# Altium PCB PCB_FRONT.PcbDoc (part 1 of 3) (continued)
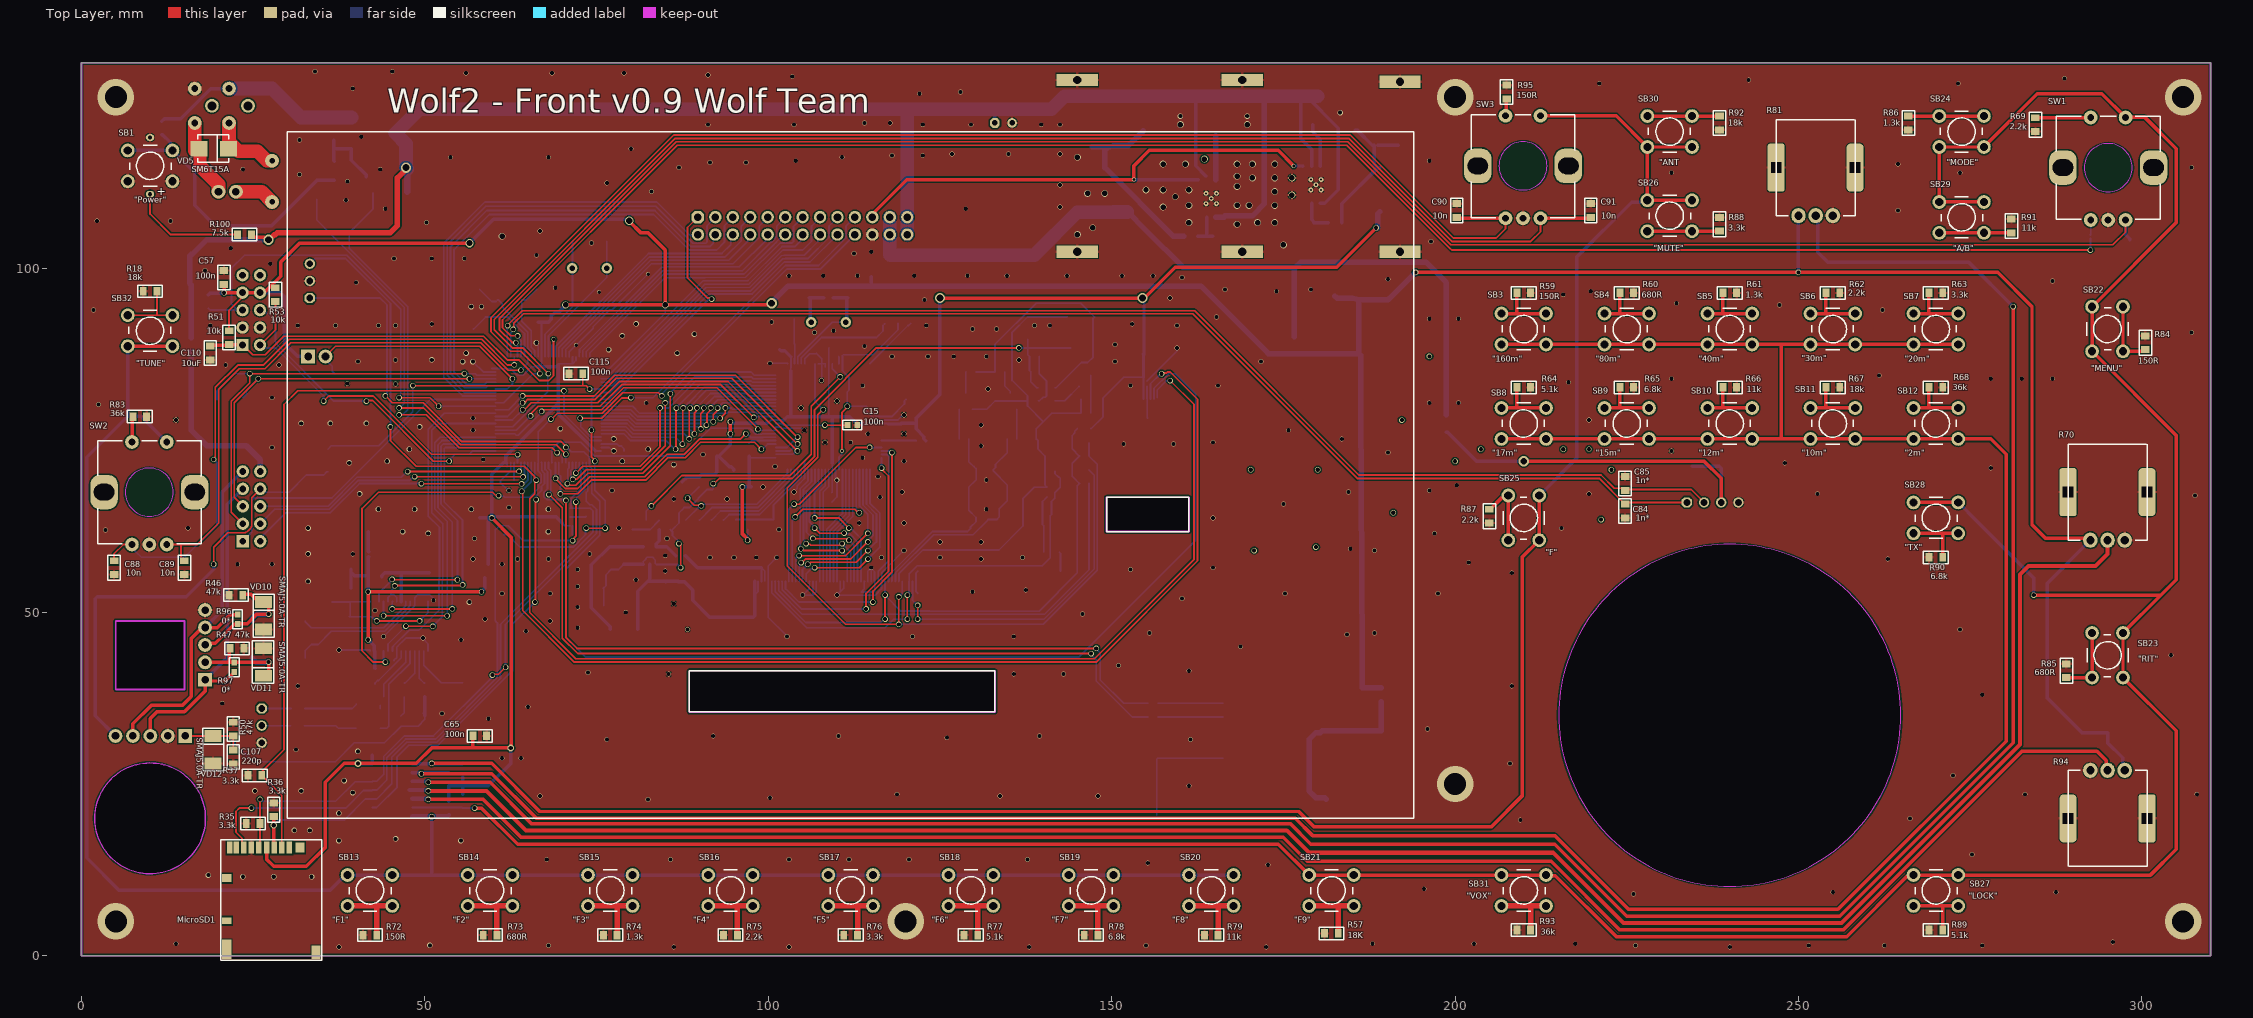
[diagram p0: Top Layer view]
## Components (designator, comment, footprint, x,y, rotation, side; value= is the part's Value field where it differs from the comment) (continued)
R64 "5.1k" CH0805R 210,82.75 r0 top
R65 "6.8k" CH0805R 225,82.75 r0 top
R66 "11k" CH0805R 240,82.75 r0 top
R67 "18k" CH0805R 255,82.75 r0 top
R68 "36k" CH0805R 270,82.75 r0 top
R69 "2.2k" CH0805R 284.5,121 r270 top
R70 "1k" PTV09 295,60.5 r0 top
R71 "4.7k" CH0805R 55.5,22.5 r90 bottom
R72 "150R" CH0805R 42,3 r180 top
R73 "680R" CH0805R 59.5,3 r180 top
R74 "1.3k" CH0805R 77,3 r180 top
R75 "2.2k" CH0805R 94.5,3 r180 top
R76 "3.3k" CH0805R 112,3 r180 top
R77 "5.1k" CH0805R 129.5,3 r180 top
R78 "6.8k" CH0805R 147,3 r180 top
R79 "11k" CH0805R 164.5,3 r180 top
R80 "4.7k" CH0805R 53.5,25.75 r270 bottom
R81 "1k" PTV09 252.5,107.75 r0 top
R82 "4.7k" CH0805R 55.5,27 r270 bottom
R83 "36k" CH0805R 8.5,78.5 r0 top
R84 "150R" CH0805R 300.5,89.25 r90 top
R85 "680R" CH0805R 289,41.5 r90 top
R86 "1.3k" CH0805R 266,121.25 r270 top
R87 "2.2k" CH0805R 205,64 r270 top
R88 "3.3k" CH0805R 238.5,106.5 r90 top
R89 "5.1k" CH0805R 270,3.75 r180 top
R90 "6.8k" CH0805R 270,58 r180 top
R91 "11k" CH0805R 281,106.25 r90 top
R92 "18k" CH0805R 238.5,121.25 r270 top
R93 "36k" CH0805R 210,3.75 r180 top
R94 "1k" PTV09 295,27 r180 top
R95 "150R" CH0805R 207.5,125.75 r90 top
R96 "0*" CH0603R 22.75,49 r270 top
R97 "0*" CH0603R 22.25,42 r90 top
R98 "1R" CH0603R 92.5,55.25 r90 bottom
R99 "10k" CH0805R 37,83.5 r90 bottom
R100 "7.5k" CH0805R 23.75,105 r0 top
SB1 "\"Power\"" "BUT: 6x6 LED" 10,115 r0 top
SB2 "\"Flash\"" "BUT: 6x6 SMD" 154.5,24.5 r90 bottom
SB3 "\"160m\"" "BUT: 6x6" 210,91.25 r180 top
SB4 "\"80m\"" "BUT: 6x6" 225,91.25 r180 top
SB5 "\"40m\"" "BUT: 6x6" 240,91.25 r180 top
SB6 "\"30m\"" "BUT: 6x6" 255,91.25 r180 top
SB7 "\"20m\"" "BUT: 6x6" 270,91.25 r180 top
SB8 "\"17m\"" "BUT: 6x6" 210,77.5 r180 top
SB9 "\"15m\"" "BUT: 6x6" 225,77.5 r180 top
SB10 "\"12m\"" "BUT: 6x6" 240,77.5 r180 top
SB11 "\"10m\"" "BUT: 6x6" 255,77.5 r180 top
SB12 "\"2m\"" "BUT: 6x6" 270,77.5 r180 top
SB13 "\"F1\"" "BUT: 6x6" 42,9.5 r0 top
SB14 "\"F2\"" "BUT: 6x6" 59.5,9.5 r0 top
SB15 "\"F3\"" "BUT: 6x6" 77,9.5 r0 top
SB16 "\"F4\"" "BUT: 6x6" 94.5,9.5 r0 top
SB17 "\"F5\"" "BUT: 6x6" 112,9.5 r0 top
SB18 "\"F6\"" "BUT: 6x6" 129.5,9.5 r0 top
SB19 "\"F7\"" "BUT: 6x6" 147,9.5 r0 top
SB20 "\"F8\"" "BUT: 6x6" 164.5,9.5 r0 top
SB21 "\"F9\"" "BUT: 6x6" 182,9.5 r0 top
SB22 "\"MENU\"" "BUT: 6x6" 295,91.25 r90 top
SB23 "\"RIT\"" "BUT: 6x6" 295,43.75 r270 top
SB24 "\"MODE\"" "BUT: 6x6" 273.75,120 r180 top
SB25 "\"F\"" "BUT: 6x6" 210,63.75 r270 top
SB26 "\"MUTE\"" "BUT: 6x6" 231.246,107.738 r0 top
SB27 "\"LOCK\"" "BUT: 6x6" 270,9.5 r0 top
SB28 "\"TX\"" "BUT: 6x6" 270,63.75 r0 top
SB29 "\"A/B\"" "BUT: 6x6" 273.75,107.5 r0 top
SB30 "\"ANT" "BUT: 6x6" 231.25,120 r180 top
SB31 "\"VOX\"" "BUT: 6x6" 210,9.5 r0 top
SB32 "\"TUNE\"" "BUT: 6x6" 10,91 r180 top
SW1 "Func" "ENC: PEC-12" 292.55,107.125 r0 top
SW2 "PWR" "ENC: PEC-12" 7.35,59.875 r0 top
SW3 "FILTER" "ENC: PEC-12" 207.35,107.375 r0 top
T1 "BNX016-01" BNX016-01 24,123.863 r180 bottom
U1 "PT4103" SOT23-6-ASM 82.75,58.25 r270 bottom
U2 "MP1541" SOT23-5 140.5,81.75 r180 bottom
U3 "LM1084IS-3.3v" TO-263-3(123) 185.75,87.5 r90 bottom
U4 "ST1S10" "8-SOIC (PAD)" 179.75,112.25 r90 bottom
U5 "ST1S10" "8-SOIC (PAD)" 164.5,110.25 r90 bottom
U6 "WM8731" 28-SSOP 46.25,47.959 r270 bottom
U7 "W25Q16" 8-SOIC-W 66.5,63.25 r0 bottom
U8 "STM32H743" 100-LQFP 68,79.5 r270 bottom
U9 "MCP3008-I/SL" 16-SOIC 45.25,24.75 r180 bottom
VD1 "SS14" SMA 79,47.5 r0 bottom
VD2 "SS14" SMA 145.5,93 r180 bottom
VD3 "16V" SOD123 127,70.75 r0 bottom
VD4 "7.5V" SOD123 132.75,70.75 r0 bottom
VD5 "SM6T15A" SMB 19.25,117.5 r0 top
VD6 "1N4148w" SOD123F 36.805,114.304 r270 bottom
VD7 "1N4148w" SOD123F 34.25,111.5 r90 bottom
VD8 "SMAJ5.0A-TR" SMA 85.5,69 r0 bottom
VD9 "SMAJ5.0A-TR" SMA 137.25,104.75 r270 bottom
VD10 "SMAJ5.0A-TR" SMA 26.5,49.5 r90 top
VD11 "SMAJ5.0A-TR" SMA 26.5,42.75 r270 top
VD12 "SMAJ5.0A-TR" SMA 19.146,30 r90 top
VD13 "SMAJ5.0A-TR" SMA 19.75,79.25 r90 bottom
VD14 "SMAJ5.0A-TR" SMA 23.5,79.25 r90 bottom
VD15 "SMAJ5.0A-TR" SMA 32.75,72 r270 bottom
VD16 "1N4148w" SOD123 35.9,73.75 r270 bottom
X1 "50 pin_0.5" "FFC FPC 50" 112,54.5 r270 bottom locked
X2 "IN_13.8V" "CON: WF-02" 22.5,111.25 r180 bottom
X3 "I2C" "CON: CWF-3" 33.25,98.25 r90 bottom
X4 "R_BOARD" "CON: BH-10" 23.496,60.354 r90 bottom
X5 "R_BOARD_LIN" "CON: CWF-3" 26.25,33.5 r270 bottom
X6 "MOTHERBOARD" "CON: IDC-26" 103.59,106.22 r0 bottom locked
X7 "ENCODER" "CON: CWF-4" 237.5,66 r0 bottom
XJ1 "Jack3.5 PH" "CON: PLS-5" 18,45.25 r90 bottom
XM1 "MIC" "CON: PLS-5" 10.04,32 r180 bottom
Y1 "8 mHz" OSC-dip 74,100.102 r270 bottom
Y2 "ABS 32.768 kHz" ABS-25 63.681,95.525 r90 bottom
Z1 "20 мГц" "OSC: Hz" 108.794,92.25 r270 bottom

## Footprints (in the part's own frame and the unit in brackets; to place one, negate y for a bottom-side part, rotate by r counter-clockwise, add the part's x,y. Pads: shape width x height; smd on the part's side, far side on the other; paste and mask are expansions set on the pad)
"8-SOIC (PAD)" [mm]
  rrect100% 1.55x0.6 smd: 1(-2.7,1.905) 2(-2.7,0.635) 3(-2.7,-0.635) 4(-2.7,-1.905) 5(2.7,-1.905) 6(2.7,-0.635) 7(2.7,0.635) 8(2.7,1.905)
  round 0.7 hole 0.3: 9(-0.75,-0.75) 9(-0.75,0.75) 9(0,0) 9(0.75,-0.75) 9(0.75,0.75)
  rect 2.5x2.5 smd: 9(0,0)
  round 0.7 on Mech1: 28(-2.395,1.8)
  silkscreen extent -2.82,-2.3 1.61,2.83, body extent -3,-2.45 3,2.45, height 1.75
8-SOIC-W [mm] "pitch 1.27 mm, isolator"
  oval 1.8x0.6 smd: 1(-5,1.905) 2(-5,0.635) 3(-5,-0.635) 4(-5,-1.905) 5(5,-1.905) 6(5,-0.635) 7(5,0.635) 8(5,1.905)
  round 0.5 on Mech1: ""(-4.8,2.7)
  silkscreen extent -5.12,-3.1 3.4,3.1, body extent -5.32,-3.18 5.32,3.17, height 1.7
16-SOIC [mm]
  oval 1.85x0.6 smd: 1(-2.925,4.448) 2(-2.925,3.178) 3(-2.925,1.908) 4(-2.925,0.638) 5(-2.925,-0.632) 6(-2.925,-1.902) 7(-2.925,-3.172) 8(-2.925,-4.442) 9(2.875,-4.442) 10(2.875,-3.172) 11(2.875,-1.902) 12(2.875,-0.632) 13(2.875,0.638) 14(2.875,1.908) 15(2.875,3.178) 16(2.875,4.448)
  round 0.7 on Bottom Overlay: 10(-2.9,5.4)
  round 0.7 on Mech1: 25(-2.5,4.3)
  silkscreen extent -1.75,-4.9 1.7,4.9, body extent -3.09,-5.01 3.04,4.96, height 1.73
28-SSOP [mm]
  rrect100% 1.4x0.35 smd: 1(-3.6,4.225) 2(-3.6,3.575) 3(-3.6,2.925) 4(-3.6,2.275) 5(-3.6,1.625) 6(-3.6,0.975) 7(-3.6,0.325) 8(-3.6,-0.325) 9(-3.6,-0.975) 10(-3.6,-1.625) 11(-3.6,-2.275) 12(-3.6,-2.925) 13(-3.6,-3.575) 14(-3.6,-4.225) 15(3.6,-4.225) 16(3.6,-3.575) 17(3.6,-2.925) 18(3.6,-2.275) 19(3.6,-1.625) 20(3.6,-0.975) 21(3.6,-0.325) 22(3.6,0.325) 23(3.6,0.975) 24(3.6,1.625) 25(3.6,2.275) 26(3.6,2.925) 27(3.6,3.575) 28(3.6,4.225)
  round 0.5 on Bottom Overlay: ""(-4.375,4.9)
  round 0.5 on Mech1: ""(-3.4,4.6)
  silkscreen extent -2.32,-4.9 2.32,4.9, body extent -3.88,-5.16 3.88,5.17, height 2.15
100-LQFP [mm] "Thin QFP, 100-Leads, Body 14x14mm, Pitch 0.5mm, IPC Medium Density"
  oval 1.4x0.3 smd: 1(-7.7,6) 2(-7.7,5.5) 3(-7.7,5) 4(-7.7,4.5) 5(-7.7,4) 6(-7.7,3.5) 7(-7.7,3) 8(-7.7,2.5) 9(-7.7,2) 10(-7.7,1.5) 11(-7.7,1) 12(-7.7,0.5) 13(-7.7,0) 14(-7.7,-0.5) 15(-7.7,-1) 16(-7.7,-1.5) 17(-7.7,-2) 18(-7.7,-2.5) 19(-7.7,-3) 20(-7.7,-3.5) 21(-7.7,-4) 22(-7.7,-4.5) 23(-7.7,-5) 24(-7.7,-5.5) 25(-7.7,-6) 51(7.7,-6) 52(7.7,-5.5) 53(7.7,-5) 54(7.7,-4.5) 55(7.7,-4) 56(7.7,-3.5) 57(7.7,-3) 58(7.7,-2.5) 59(7.7,-2) 60(7.7,-1.5) 61(7.7,-1) 62(7.7,-0.5) 63(7.7,0) 64(7.7,0.5) 65(7.7,1) 66(7.7,1.5) 67(7.7,2) 68(7.7,2.5) 69(7.7,3) 70(7.7,3.5) 71(7.7,4) 72(7.7,4.5) 73(7.7,5) 74(7.7,5.5) 75(7.7,6)
  round 0.5 on Bottom Overlay: 1(-7.7,6.7)
  oval 0.3x1.4 smd: 26(-6,-7.7) 27(-5.5,-7.7) 28(-5,-7.7) 29(-4.5,-7.7) 30(-4,-7.7) 31(-3.5,-7.7) 32(-3,-7.7) 33(-2.5,-7.7) 34(-2,-7.7) 35(-1.5,-7.7) 36(-1,-7.7) 37(-0.5,-7.7) 38(0,-7.7) 39(0.5,-7.7) 40(1,-7.7) 41(1.5,-7.7) 42(2,-7.7) 43(2.5,-7.7) 44(3,-7.7) 45(3.5,-7.7) 46(4,-7.7) 47(4.5,-7.7) 48(5,-7.7) 49(5.5,-7.7) 50(6,-7.7) 76(6,7.7) 77(5.5,7.7) 78(5,7.7) 79(4.5,7.7) 80(4,7.7) 81(3.5,7.7) 82(3,7.7) 83(2.5,7.7) 84(2,7.7) 85(1.5,7.7) 86(1,7.7) 87(0.5,7.7) 88(0,7.7) 89(-0.5,7.7) 90(-1,7.7) 91(-1.5,7.7) 92(-2,7.7) 93(-2.5,7.7) 94(-3,7.7) 95(-3.5,7.7) 96(-4,7.7) 97(-4.5,7.7) 98(-5,7.7) 99(-5.5,7.7) 100(-6,7.7)
  round 0.5 on Mech1: ""(-7.5,7.5)
  silkscreen extent -6.5,-6.5 6.5,6.5, body extent -8,-7.99 8,8.01, height 1.5
ABS-25 [mm]
  rect 1.4x1.6 smd: 1(-0.025,-3.075) 2(5.525,-3.075) 3(5.512,0.413) 4(-0.038,0.413)
  silkscreen extent -1.29,-3.42 6.72,0.42, body extent -1.27,-3.5 6.73,0.5, height 2.7
BNX016-01 [mm]
  round 2 hole 1.3: 0(-0.25,-0.113) 0(5,-0.113)
  round 2 hole 1: 1(2.5,2.387) 2(2.5,-2.613) 3(7.5,2.387) 4(7.5,-2.613)
  silkscreen extent -1.44,-5.6 10.9,5.4, body extent -1,-5.61 11,5.39, height 8
"BUT: 6x6" [mm] "Leaded Tactile Button 6x6"
  round 2 hole 1.2: 1(-3.25,2.25) 1(3.25,2.25) 2(-3.25,-2.25) 2(3.25,-2.25)
  silkscreen extent -3,-2.99 3.1,3.01, body extent -3.15,-2.96 3.25,3.04, height 4.5
"BUT: 6x6 LED" [mm] "Tactile Button 6x6 LED"
  round 2 hole 1.2: 1(-3.25,2.25) 1(3.25,2.25) 2(-3.25,-2.25) 2(3.25,-2.25)
  oval 1.2x1 hole 0.6: 3(0,4.125) 4(0,-4.125)
  silkscreen extent -3,-2.99 3.1,3.01, body extent -3.15,-2.96 3.25,3.04, height 4.5
"BUT: 6x6 SMD" [mm] "Leaded Tactile Button 6x6"
  rect 3x2 smd: 1(-4.05,2.075) 1(4.15,2.075) 2(-4.05,-2.075) 2(4.15,-2.075)
  silkscreen extent -4.5,-3 4.5,3, body extent -4.5,-3 4.5,3, height 9.5
CH0603C [mm] "Chip Capacitor, 2-Leads, Body 1,53x0,85mm, IPC Medium Density"
  rect 0.85x0.85 smd: 1(-0.7,0) 2(0.7,0)
  silkscreen extent -1.4,-0.7 1.4,0.7, body extent -0.8,-0.4 0.8,0.4, height 0.3
CH0603R [mm]
  rect 0.85x0.85 smd: 1(-0.7,0) 2(0.7,0)
  silkscreen extent -1.4,-0.7 1.4,0.7, body extent -0.8,-0.4 0.8,0.4, height 0.44
CH0805C [mm] "Chip Capacitor, 2-Leads, Body 2,00x1,20mm, IPC Medium Density"
  rect 1x1.25 smd: 1(-1,0) 2(1,0)
  silkscreen extent -1.8,-0.9 1.8,0.9, body extent -1,-0.62 1,0.63, height 0.78
CH0805L [mm]
  rect 1x1.25 smd: 1(-1,0) 2(1,0)
  silkscreen extent -1.8,-0.9 1.8,0.9, body extent -1,-0.62 1,0.63, height 0.85
CH0805R [mm]
  rect 1x1.25 smd: 1(-1,0) 2(1,0)
  silkscreen extent -1.8,-0.9 1.8,0.9, body extent -1,-0.6 1,0.6, height 0.44
CH1206C [mm] "Non polar chip capacitor, size 1206"
  rect 1x1.6 smd: 1(-1.5,0) 2(1.5,0)
  silkscreen extent -2.3,-1.1 2.3,1.1, body extent -1.6,-0.8 1.6,0.8, height 1
CH1210C [mm] "Non polar chip capacitor, size 1210"
  rect 1.1x2.6 smd: 1(-1.75,0) 2(1.75,0)
  silkscreen extent -2.5,-1.55 2.5,1.55, body extent -2,-1.24 2,1.24, height 1.7
"CON: BH-10" [mm] "Connector; Header; 10 Position"
  rect 1.8x1.8 hole 1: 1(0,0)
  round 1.8 hole 1: 2(0,2.54) 3(2.54,0) 4(2.54,2.54) 5(5.08,0) 6(5.08,2.54) 7(7.62,0) 8(7.62,2.54) 9(10.16,0) 10(10.16,2.54)
  round 0.5 on Bottom Overlay: ""(-5.7,-2.5)
  round 0.5 on Mech1: ""(-4.5,-2.5)
  silkscreen extent -5.1,-3 15.25,5.9, body extent -5.07,-2.98 15.23,5.87, height 2.77
"CON: CWF-3" [mm]
  oct 1.5x1.5 hole 1: 1(-2.5,0)
  round 1.5 hole 1: 2(0,0) 3(2.5,0)
  round 0.5 on Mech1: 28(-4.5,-1.7)
  silkscreen extent -5.29,-2.41 5.25,3.81, body extent -5,-2.2 5,3.55, height 7
"CON: CWF-4" [mm]
  oct 1.5x1.5 hole 1: 1(-3.75,0)
  round 1.5 hole 1: 2(-1.25,0) 3(1.25,0) 4(3.75,0)
  round 0.5 on Mech1: 30(-5.9,-1.8)
  silkscreen extent -6.54,-2.41 6.41,3.81, body extent -6.27,-2.19 6.13,3.56, height 7
"CON: IDC-26" [mm]
  oct 1.8x1.8 hole 1.1: 1(-13.83,-1.32)
  round 1.8 hole 1.1: 2(-13.83,1.22) 3(-11.29,-1.32) 4(-11.29,1.22) 5(-8.75,-1.32) 6(-8.75,1.22) 7(-6.21,-1.32) 8(-6.21,1.22) 9(-3.67,-1.32) 10(-3.67,1.22) 11(-1.13,-1.32) 12(-1.13,1.22) 13(1.41,-1.32) 14(1.41,1.22) 15(3.95,-1.32) 16(3.95,1.22) 17(6.49,-1.32) 18(6.49,1.22) 19(9.03,-1.32) 20(9.03,1.22) 21(11.57,-1.32) 22(11.57,1.22) 23(14.11,-1.32) 24(14.11,1.22) 25(16.65,-1.32) 26(16.65,1.22)
  round 0.5 on Mech1: 42(-18.45,-3.95)
  silkscreen extent -19.16,-4.88 22.55,4.78
"CON: PLS-2" [mm]
  rect 2x2 hole 1.1: 1(-1.27,0)
  round 2 hole 1.1: 2(1.27,0)
  silkscreen extent -2.54,-1.27 2.54,1.27, body extent -2.57,-1.28 2.51,1.26, height 8.54
"CON: PLS-5" [mm]
  rect 2x2 hole 1.1: 1(-5.08,0)
  round 2 hole 1.1: 2(-2.54,0) 3(0,0) 4(2.54,0) 5(5.08,0)
  silkscreen extent -6.35,-1.27 6.35,1.27, body extent -6.35,-1.27 6.35,1.27, height 8.54
"CON: WF-02" [mm]
  round 2 hole 1.1: 1(0,0) 2(2.54,0)
  round 0.5 on Mech1: ""(-0.8,2)
  silkscreen extent -1.4,-3.4 3.9,2.6, body extent -1.3,-3.3 3.78,2.5, height 11.5
CR1220 [mm]
  rect 2x3 smd: 1(0,0) 2(0,-16.6)
  silkscreen extent -7.5,-15.7 7.5,-0.7, body extent -7.47,-17.48 7.53,1.02, height 3.94
D2PAK_132 [mm] "D-PAK, 3-Pads, Body 6,2x6,7mm (max), IPC Medium Density"
  rect 1.9x0.95 smd: 1(-3.191,2.28) 2(-3.191,-2.28)
  rect 6.9x6.8 smd: 3(3.191,0)
  silkscreen extent -3.32,-3.65 6.9,3.65, body extent -4.02,-3.36 6.43,3.37, height 2.39
D6.3C2.5H11 [mm] "Polar capacitor, diameter 6.3 mm, leads clearance 2.5 mm, height 11 mm"
  oct 1.4x1.4 hole 0.8: 1(-1.25,0)
  round 1.4 hole 0.8: 2(1.25,0)
  silkscreen extent -3.2,-3.2 3.2,3.2, body extent -3.4,-3.4 3.39,3.4, height 12.5
"ENC: PEC-12" [mm]
  round 2 hole 1: 1(0,0) 2(2.54,0) 3(5.08,0) 4(5.08,14.922) 5(0,14.922)
  rrect70% 4x5 hole 2.4 slot 3 at 0 deg: ""(-4.05,7.625) ""(9.15,7.625)
  Keep-Out Layer circle w0.1: c2.54,7.625 r3.5
  silkscreen extent -5,0.1 10.1,15.1, body extent -4.96,0.12 10.04,15.12, height 16.5
"ESP8266 ESP-07" [mm]
  rect 2.5x1.3 smd: 1(0,14) 2(0,12) 3(0,10) 4(0,8) 5(0,6) 6(0,4) 7(0,2) 8(0,0) 9(15,0) 10(15,2) 11(15,4) 12(15,6) 13(15,8) 14(15,10) 15(15,12) 16(15,14)
  silkscreen extent -1.7,-1.73 15.5,20.33, body extent -0.43,-1.69 15.57,20.31, height 3.5
"FFC FPC 50" [mm]
  rrect50% 2x0.3 smd: 1(0,14) 2(0,13.5) 3(0,13) 4(0,12.5) 5(0,12) 6(0,11.5) 7(0,11) 8(0,10.5) 9(0,10) 10(0,9.5) 11(0,9) 12(0,8.5) 13(0,8) 14(0,7.5) 15(0,7) 16(0,6.5) 17(0,6) 18(0,5.5) 19(0,5) 20(0,4.5) 21(0,4) 22(0,3.5) 23(0,3) 24(0,2.5) 25(0,2) 26(0,1.5) 27(0,1) 28(0,0.5) 29(0,0) 30(0,-0.5) 31(0,-1) 32(0,-1.5) 33(0,-2) 34(0,-2.5) 35(0,-3) 36(0,-3.5) 37(0,-4) 38(0,-4.5) 39(0,-5) 40(0,-5.5) 41(0,-6) 42(0,-6.5) 43(0,-7) 44(0,-7.5) 45(0,-8) 46(0,-8.5) 47(0,-9) 48(0,-9.5) 49(0,-10) 50(0,-10.5)
  rrect50% 4x3 smd: 51(2,-12.7) 51(2,16.3)
  silkscreen extent -1,-14 5,17.5, body extent -0.7,-13.5 4.7,17, height 2.02
FFC-6PIN [mm]
  rrect50% 2.7x0.3 smd: 1(0.5,2.5) 2(0.5,2) 3(0.5,1.5) 4(0.5,1) 5(0.5,0.5) 6(0.5,0)
  rrect50% 3x2.5 smd: 7(2.775,-2.1) 7(2.775,4.725)
  silkscreen extent -0.75,-2.75 6.25,5.5, body extent -0.3,-2.6 6.4,5.1, height 2.1
"Fuse: Ruef400" [mm] "Предохранитель RUEF400"
  round 2 hole 0.8: 1(0,0) 2(6,0)
  silkscreen extent -4,-1.78 9.53,1.63
"IND: CDRH74" [mm]
  rect 2.2x1.6 smd: 1(0,3.2) 2(0,-3.2)
  silkscreen extent -3.8,-3.8 3.8,3.8, body extent -3.65,-3.65 3.65,3.65, height 4.5
"IND: CDRH127" [mm]
  rect 4x5 smd: 1(-5,0) 2(5,0)
  silkscreen extent -6,-6 6,6, body extent -6,-6 6,6, height 8.05
"IND: SDR0403" [mm]
  rect 4.5x1.8 smd: 1(0,0) 2(0,-3.3)
  silkscreen extent -2.2,-2.1 2.2,-1.2, body extent -2.25,-3.9 2.25,0.6, height 3.5
OSC-dip [mil]
  round 60 hole 30: 1(0,100.39) 2(0,-98.43)
  silkscreen extent -93,-218 94,224, body extent -91,-218 91,222, height 138
"OSC: Hz" [mm]
  round 1.524 hole 0.762: 1(0,2.55) 2(0,-2.5)
  rrect50% 2.4x5 smd: 1(0,4.8)
  rrect50% 2.5x5 smd: 2(0,-4.55)
  silkscreen extent -2.4,-6.4 2.4,6.5, body extent -2.4,-6.2 2.4,6.3, height 4
PTV09 [mm]
  oval 2.1x2.2 hole 1.2: 1(-2.5,0) 2(0,0) 3(2.5,0)
  rrect30% 2.5x7 hole 1.5 square mask+0.102: 3(-5.75,7)
  rrect50% 2.5x7 hole 1.5 square: 3(5.75,7)
  silkscreen extent -5.75,0 5.75,14, body extent -6.6,-1.1 6.5,13.85, height 25
"RES: 3314G" [mm]
  rect 1.3x1.3 smd: 1(-1.15,2.75) 3(1.15,2.75)
  rect 2x1.3 smd: 2(0,-2.75)
  round 0.5 on Mech1: ""(-2,2.65)
  silkscreen extent -2.6,-2.3 2.6,2.4, body extent -2.5,-3.05 2.5,3.15, height 2.72
SD-card [mm]
  rect 1.3x1.5 smd: 0(1.55,0)
  rect 0.8x1.8 smd: 1(0,0) 2(-1.1,0) 3(-2.2,0) 4(-3.3,0) 5(-4.4,0) 6(-5.5,0) 7(-6.6,0)
  rect 0.75x1.8 smd: 8(-7.7,0) 9(-8.65,0)
  rect 1.4x2.8 smd: GND(-9.1,-14.8)
  rect 1.4x1 smd: GND(-9.1,-10.65)
  rect 1.4x1.2 smd: GND(-9.1,-4.45)
  rect 1.3x2 smd: GND(3.9,-15.25)
  silkscreen extent -9.97,-16.42 4.75,1.15, body extent -9.65,-16.18 4.2,-0.03, height 1.68
SMA [mm]
  rect 1.7x2.5 smd: 1(-2,0) 2(2,0)
  round 0.5 on Mech1: ""(2,0.9)
  silkscreen extent -3.1,-1.6 3.1,1.5, body extent -2.5,-1.35 2.5,1.35, height 2.28
SMB [mm]
  rect 2.5x2.3 smd: 1(-2.15,0) 2(2.15,0)
  round 0.5 on Top Overlay: ""(2.7,1.8)
  silkscreen extent -2.3,-2 2.2,2, body extent -2.75,-1.95 2.75,1.95, height 2.45
SOD123 [mm]
  rect 0.91x1.22 smd: 1(0,0) 2(3.275,0)
  round 0.5 on Mech1: 4(3,0.4)
  silkscreen extent -0.7,-0.9 4,0.9, body extent -0.25,-0.8 3.45,0.8, height 1.25
SOD123F [mm] "Schottky Diode, 2-Leads, Body 3x2mm, 0.4W"
  rect 1.5x1 smd: 1(-1.375,0) 2(1.375,0)
  round 0.5 on Mech1: ""(1.5,0.5)
  silkscreen extent -2.4,-0.9 2.4,1, body extent -1.87,-0.85 1.88,0.85, height 1.23
SOT23-5 [mm] "SOT23, 5-Leads, Body 2,90x2,80mm, Pitch 0,95mm, IPC Medium Density"
  rect 1x0.6 smd: 1(-1.2,0.95) 2(-1.2,0) 3(-1.2,-0.95) 4(1.2,-0.95) 5(1.2,0.95)
  round 0.5 on Mech1: ""(-1.1,1.1)
  silkscreen extent -1.33,-1.5 0.25,1.92, body extent -1.5,-1.5 1.5,1.5, height 1.3
SOT23-6-ASM [mm]
  rect 1.4x0.55 smd: 1(-1.3,0.95) 2(-1.3,0) 3(-1.3,-0.95) 4(1.275,-0.95) 5(1.275,0) 6(1.275,0.95)
  round 0.5 on Mech1: ""(-0.8,1)
  silkscreen extent -1.15,-1.5 0.25,1.9, body extent -1.2,-1.45 1.2,1.45, height 1.09
SOT23_132 [mm] "SOT23, 3-Leads, Body 3,0x2,6mm (max), Pitch 0,95mm, IPC Medium Density"
  rect 1x0.6 smd: 1(-1.2,0.95) 2(-1.2,-0.95) 3(1.2,0)
  round 0.5 on Mech1: ""(-0.9,1.1)
  silkscreen extent -1.32,-1.5 0.7,1.92, body extent -1.32,-1.52 1.32,1.52, height 1.12
TANTAL_B [mm]
  rect 1.4x2.4 smd: 1(-1.75,0) 2(1.75,0)
  round 0.5 on Mech1: ""(-1.4,1)
  silkscreen extent -2.7,-1.5 2.7,1.5, body extent -1.85,-1.46 1.85,1.47, height 2.03
TANTAL_C [mm]
  rect 1.6x3.2 smd: 1(-3,0) 2(3,0)
  round 0.5 on Mech1: ""(-2.5,1.1)
  silkscreen extent -4.1,-1.9 4.1,1.9, body extent -3.05,-1.67 3.05,1.68, height 2.7
TANTAL_D [mm]
  rect 2x4.3 smd: 1(-3.85,0) 2(3.85,0)
  round 0.5 on Mech1: ""(-3.1,1.8)
  silkscreen extent -5.15,-2.5 5.15,2.5, body extent -3.7,-2.22 3.7,2.23, height 3.01
TO-263-3(123) [mm]
  rect 1.5x3 smd: 1(-2.44,-9.2) 2(0.175,-9.2) 3(2.655,-9.2)
  rect 10.8x12 smd: 2(0.175,0.225)
  silkscreen extent -5.6,-10.12 5.9,6.5, body extent -4.85,-10.56 5.15,5.11, height 4.78

## Part data
C1 C2 C3 C4 C5 C6 C7 C8 C9 C10 C11 C12 C13 C14 C15 C16 C17 C18 C19 C20 C21 C22 C23 C24 C25 C26 C27 C28 C29 C30 C31 C32 C33 C34 C35 C36 C37 C38 C39 C40 C41 C42 C43 C44 C45 C46 C47 C49 C50 C51 C52 C53 C55 C56 C57 C58 C59 C60 C61 C63 C64 C65 C66 C68 C69 C70 C71 C72 C73 C74 C76 C77 C79 C80 C81 C82 C83 C84 C85 C87 C88 C89 C90 C91 C92 C93 C96 C97 C100 C104 C105 C107 C108 C109 C110 C111 C112 C113 C114 C115 C116 C117 C118 C119 C120: library part Capacitor
C48 C54 C67 C75 C78 C86 C94 C95 C98 C99 C101 C102 C103 C106: library part TantalCap
C62: library part AlumCap
D1 D2: library part BAT54
FB1 FB2 FB3 FB4 FB5 FB6 FB7 FB8 FB9: library part FB-1
FU1: library part Fuse
G1: library part POWER_BAT
IC1: library part RA8875
J1: library part 6-Conn
J2: library part DJAMPER
JTAG_STM1: library part IDC10, "2*5 Pin"
L1 L2 L3 L4 L5 L6: library part Inductor
MicroSD1: library part MicroSD
Q1: library part P-KANAL
R1 R2 R3 R4 R5 R6 R7 R8 R9 R10 R11 R12 R13 R14 R15 R16 R17 R18 R19 R20 R21 R23 R24 R25 R26 R27 R28 R29 R30 R31 R32 R33 R34 R35 R36 R37 R38 R39 R40 R41 R42 R43 R44 R45 R46 R47 R48 R49 R50 R51 R52 R53 R54 R55 R56 R57 R58 R59 R60 R61 R62 R63 R64 R65 R66 R67 R68 R69 R71 R72 R73 R74 R75 R76 R77 R78 R79 R80 R82 R83 R84 R85 R86 R87 R88 R89 R90 R91 R92 R93 R95 R96 R97 R98 R99 R100: library part Resistor
R22: library part "ADJ resistor"
R70 R81 R94: library part Trimmer, Manufacturer=Bourns, Package=3296W, PartNumber=3296W-1-103LF, Power=0.5W, Temperature=-55...+125°C, Tolerance=±10%, TypeResistor="Resistor film", ValueManufacturerPartNumber="Resistor film, 1k, ±10%, 3296W, 0.5W, -55...+125°C", HelpURL=https://www.digikey.com/product-detail/en/bourns-inc/3296W-1-103LF/3296W-103LF-ND/1088045
SB1: library part "Tactile switches_LED", "6x6 mm"
SB2 SB3 SB4 SB5 SB6 SB7 SB8 SB9 SB10 SB11 SB12 SB13 SB14 SB15 SB16 SB17 SB18 SB19 SB20 SB21 SB22 SB23 SB24 SB25 SB26 SB27 SB28 SB29 SB30 SB31 SB32: library part "Tactile switches", "6x6 mm"
SW1 SW2 SW3: library part PEC12, "Encoder"
T1: library part "EMI bead", Manufacturer="Murata Electronics North America", ComponentKind=Bead, HelpURL=https://www.digikey.com/product-detail/en/murata-electronics-north-america/DLW21SN900SQ2L/490-5137-1-ND/1922888, Model=DLW21SN900SQ2L
U1: library part MP3202
U3: library part LM1084
U7: library part W25Q32JVZPIQ, "Flash", Manufacturer="Winbond Electronics", ComponentKind=8-WSON, HelpURL=https://www.digikey.com/product-detail/en/winbond-electronics/W25Q32JVZPIQ/W25Q32JVZPIQ-ND/6167525, Model=W25Q32JVZPIQ
VD1 VD2 VD3 VD4: library part "Diod Schottky"
VD5 VD6 VD7 VD16: library part Diod
VD8 VD9 VD10 VD11 VD12 VD13 VD14 VD15: library part "Diod Zener"
X1: library part 50-Conn
X2: library part 2-Connector
X3 X5: library part 3-Connector
X4: library part 10(2)-Connector
X6: library part 26-Connector
X7: library part 4-Connector
XJ1 XM1: library part 5-Connector
Y1 Z1: library part Oscillator
Y2: library part ABS25

## Free pads (board coordinates)
  rect 6x1.8 hole 1.2: 3(169,127.5) 4(169,102.5) 5(192,127.25) 6(145,127.5) 7(145,102.5) 8(192,102.5)

## Via types
v1: diameter 0.7, hole 0.6, Top Layer to Bottom Layer, tented both sides, 337 vias
v2: diameter 0.8, hole 0.6, Top Layer to Bottom Layer, tented both sides, 249 vias
v3: diameter 1, hole 0.8, Top Layer to Bottom Layer, tented both sides, 37 vias
v4: diameter 5.3, hole 3.2, Top Layer to Bottom Layer, 7 vias
v5: diameter 1.5, hole 1, Top Layer to Bottom Layer, tented both sides, 6 vias
v6: diameter 0.6, hole 0.5, Top Layer to Bottom Layer, tented both sides, 4 vias
v7: diameter 0.6, hole 0.4, Top Layer to Bottom Layer, tented both sides, 3 vias
v8: diameter 1, hole 0.6, Top Layer to Bottom Layer, tented both sides, 3 vias
v9: diameter 1.2, hole 0.9, Top Layer to Bottom Layer, tented both sides, 2 vias
v10: diameter 0.8, hole 0.6, Top Layer to Bottom Layer, tented top, 1 vias
v11: diameter 0.7, hole 0.5, Top Layer to Bottom Layer, tented both sides, 1 vias

## Nets (pads, with @x,y where several pads share a name; then routed paths per layer and width w, separated by ;. In a path a pad name is that pad's centre, name@x,y a point inside that pad or via, vN(x,y) a via of type N, cw(c..) or ccw(c..) an arc to the next point about the centre after c; other vN are vias at no path point)
+3.3vCOD: C67.1 C68.2 C100.1 C101.1 FB4.1 FB8.2 FB9.2 U6.27 | length 43.9
  Top Layer w0.508: v2(41.75,46) v2(41.75,53) v2(58.25,53)
  Bottom Layer w0.508: FB9.2@39.25,53.5 C101.1@39.25,55.804 ; C101.1@39.25,56.304 C101.1@39.25,55.804 ; v2(41.75,46) 41.798,46 42.654,45.144 42.654,44.38 U6.27@42.675,44.359 42.696,44.338 42.696,41.924 42.675,41.903 C100.1@42.75,41.828 ; v2(41.75,53) FB8.2@41.75,55.191 ; C68.2@41.75,61.75 41.777,61.723 41.777,58.873 C67.1@41.804,58.846 ; C67.1@41.804,58.096 41.777,58.069 41.777,55.219 FB8.2@41.75,55.191 ; v2(58.25,53) 58.75,53.5 FB4.1@58.75,55 ; C101.1@39.25,55.804 39.696,55.358 41.583,55.358 FB8.2@41.75,55.191
+3.3vLCD: C1.2 C2.2 C12.1 C13.1 C16.2 C40.2 C41.2 FB1.2 FB2.2 FB3.1 IC1.2 IC1.13 IC1.40 IC1.62 IC1.87 J1.2 L5.1 R14.1 R19.2 VD8.2 | length 197.2
  Top Layer w0.508: v2(94.5,76) v2(94.5,77.75) ; v5(125,95.75) v5(154.5,95.75) 154.75,95.75 159.25,100.25 182.75,100.25 v2(188.5,106)
  Bottom Layer w0.254: 99.875,77.5 100.352,77.977 100.515,77.977 100.538,78 IC1.87@101.1,78 102.25,78 ; 103.273,87.219 103.3,87.192 103.3,85.638 103.277,85.615 103.277,85.25 ; 108.8,78.5 IC1.13@108.8,86.2 C12.1@108.8,88.5 ; C41.2@109.25,67.45 109.3,67.5 IC1.62@109.3,70.8 109.3,71.692 109.306,71.698 ; 115.48,77.474 115.497,77.491 116.491,77.491 IC1.40@116.5,77.5 116.509,77.491 117.428,77.491 117.5,77.419 ; FB1.2@147,76.75 148.75,78.5 148.75,81.25 151.737,84.237 154.65,84.237 J1.2@154.65,81.025 ; C1.2@154.5,87.6 C1.2@154.65,87.45
  Bottom Layer w0.4: v5(154.5,95.75) 154.5,95.642 154.7,95.442 C1.2@154.7,87.5 ; 154.65,84.237 C1.2@154.65,87.45
  Bottom Layer w0.508: VD8.2@87.5,69 88.2,69.7 R19.2@89.946,69.7 90.244,69.998 90.488,69.998 90.49,70 FB2.2@92,70 92.125,70 92.5,70.375 C40.2@92.5,72.75 C40.2@92.8,72.75 ; v2(94.5,76) 94.444,75.944 94.444,74.394 C40.2@92.8,72.75 ; v2(94.5,77.75) 94.75,77.5 99.875,77.5 ; FB3.1@95,70.696 95,70.821 94.627,71.194 94.356,71.194 C40.2@92.8,72.75 ; C13.1@101.7,88.25 101.871,88.079 102.421,88.079 103.273,87.227 103.273,87.219 ; 102.25,78 102.75,78.5 103.25,78.5 ; 103.25,85.2 103.25,78.5 ; 109.3,78.5 109.3,71.704 109.306,71.698 ; 115.48,77.474 112.903,77.474 111.877,78.5 108.8,78.5 103.25,78.5 ; 117.5,77.419 119.273,77.419 119.354,77.5 C16.2@121.55,77.5 ; R14.1@122.95,75 122.66,75.29 122.66,75.59 121.55,76.7 C16.2@121.55,77.5 ; v5(125,95.75) 125,81.75 121.55,78.3 C16.2@121.55,77.5
  Bottom Layer w0.8: C2.2@188.75,106 188.75,108.05 L5.1@189,108.3